# Altium PCB IndoorPositioning PCB.PcbDoc
Units mm, origin at the board's own origin, x right, y up, seen from the top; angles counter-clockwise.
Board outline 48.13 x 31.12 mm, 2 copper layers (Top Layer, Bottom Layer); 64 components, 77 nets, 284 pads, 110 vias.
Unrouted connection lines stored in the file: 158.
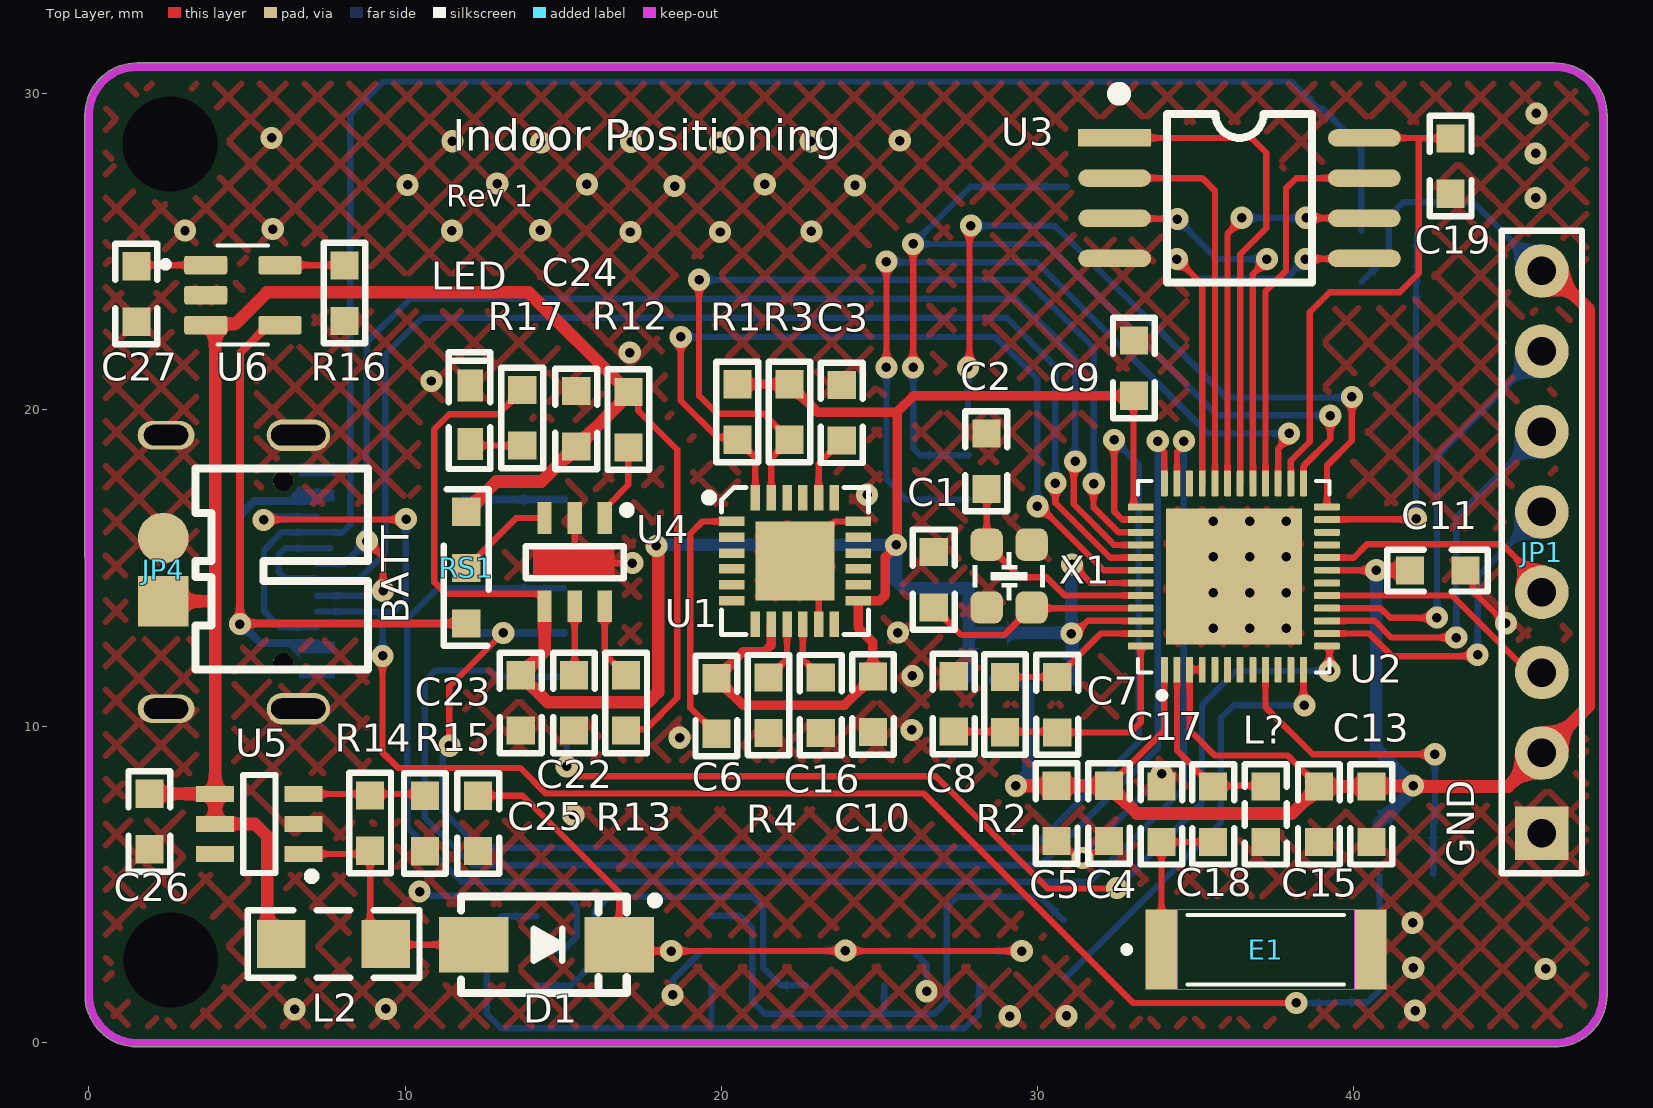
[diagram p0: Top Layer view]
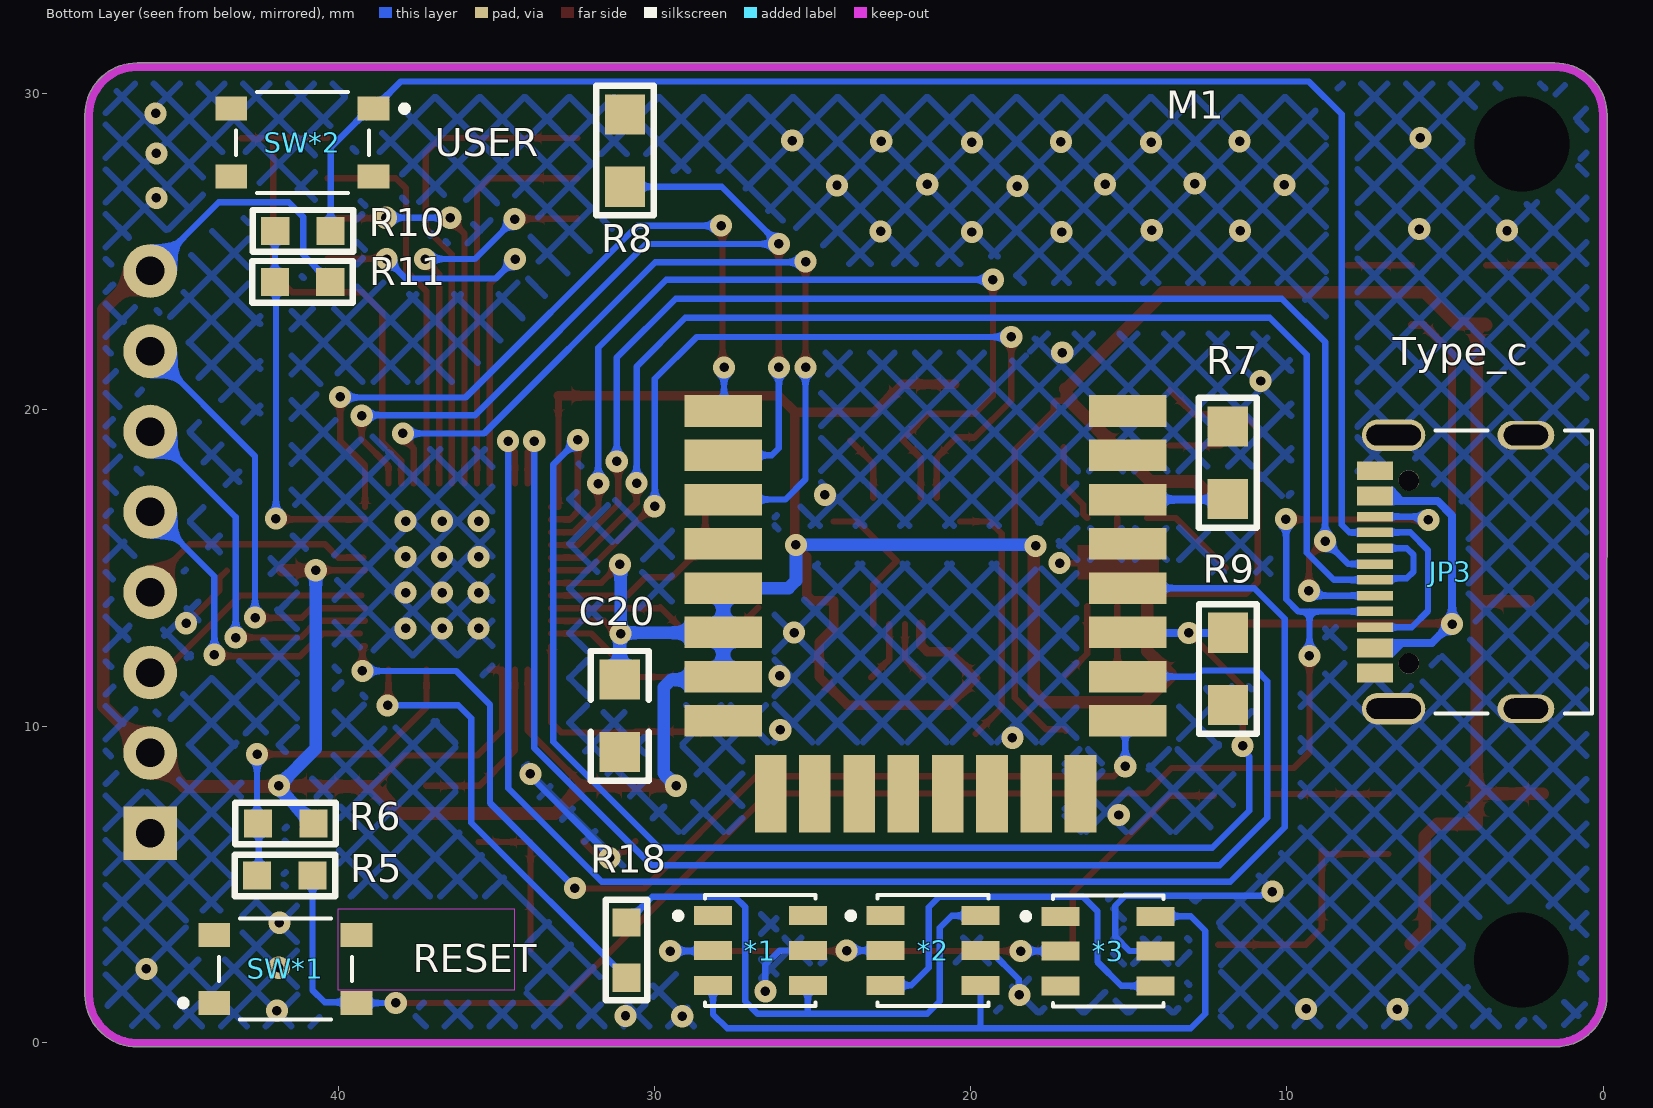
[diagram p1: Bottom Layer view, seen from below]

## Layer stack, top to bottom
Top Solder: solder mask 0.0102, Solder Resist, Dk 3.5
Top Layer: signal copper 0.0356
Dielectric 1: dielectric 0.32, FR-4, Dk 4.8
Bottom Layer: signal copper 0.0356
Bottom Solder: solder mask 0.0102, Solder Resist, Dk 3.5

## Board outline
-0.116,1.332 ccw(c1.527,1.506) 1.352,-0.136 1.4,-0.145 46.358,-0.145 ccw(c46.358,1.506) 48.009,1.506 48.009,29.319 ccw(c46.358,29.319) 46.358,30.971 1.527,30.971 ccw(c1.527,29.319) -0.125,29.319

## Design rules (kind name [scope] priority, off if disabled: settings)
Clearance Clearance_1 [InNamedPolygon('GND_L01_P000') Or InNamedPolygon('GND_L02_P001')] p1: gap=0.3 ignorepadtopadclearanceinfootprint=FALSE
Clearance [All] p2: gap=0.127 ignorepadtopadclearanceinfootprint=FALSE
ComponentClearance [All] p1: gap=0 collisioncheckmode=3 verticalgap=0 showdistances=FALSE
HoleSize [All] p1: absolutevalues=TRUE maxlimit=5 minlimit=0.2 maxpercent=80.000 minpercent=20.000
HoleToHoleClearance [All] p1: gap=0.127 allowstackedmicrovias=TRUE
MinimumSolderMaskSliver [All] p1: minsoldermaskwidth=0.127
PolygonConnect PolygonConnect_1 [All vs IsNamedPolygon('GND_L01_P000') Or IsNamedPolygon('GND_L02_P001')] p1: connectstyle=Direct reliefconductorwidth=0.254 reliefentries=4 polygonreliefangle="90 Angle" airgapwidth=0.254
PolygonConnect [All] p2: connectstyle=Relief reliefconductorwidth=0.254 reliefentries=4 polygonreliefangle="90 Angle" airgapwidth=0.254
RoomDefinition Main [InComponentClass('Main')] p1 off: confinementstyle=ConfineIn formatcopy=TRUE lockcomponents=FALSE outline -0.411,0.442 47.315,0.442 47.315,31.128 -0.411,31.128
RoutingVias [All] p1: holewidth=0.3 width=0.7 viastyle="Through Hole" minholewidth=0.3 minwidth=0.7 maxholewidth=0.3 maxwidth=0.7
SilkToSilkClearance [All] p1: silktosilkclearance=0.127
SilkToSolderMaskClearance [IsPad] p1: minsilkscreentomaskgap=0.01 clearancetoexposedcopper=TRUE
SolderMaskExpansion [All] p1: expansion=0.102 istentingtop=FALSE
Width [All] p1: maxlimit=0.5 minlimit=0.2 preferedwidth=0.254
24 further rules are at their usual default settings.

## Components (designator, comment, footprint, x,y, rotation, side; value= is the part's Value field where it differs from the comment)
*1 "WS2813" WS2813 26.726,2.802 r180 bottom
*2 "WS2813" WS2813 21.265,2.802 r180 bottom
*3 "WS2813" WS2813 15.729,2.784 r180 bottom
C1 "22pF" "C 0603" 26.718,14.641 r90 top
C2 "22pF" "C 0603" 28.379,18.387 r90 top
C3 "2200pF" "C 0603" 23.807,19.919 r90 top
C4 "1uF/16V" "C 0603" 32.26,7.224 r270 top
C5 "100pF/6.3V" "C 0603" 30.601,7.224 r270 top
C6 "0.01uF" "C 0603" 19.842,10.648 r90 top
C7 "3.3nF" "C 0603" 30.622,10.688 r90 top
C8 "10nF" "C 0603" 27.348,10.714 r90 top
C9 "0.1uF/6.3V" "C 0603" 33.045,21.333 r90 top
C10 "0.1uF" "C 0603" 24.795,10.673 r270 top
C11 "10uF" "C 0603" 42.636,14.915 r180 top
C13 "1uF/16V" "C 0603" 40.553,7.224 r90 top
C15 "0.1uF/6.3V" "C 0603" 38.895,7.198 r270 top
C16 "0.1uF" "C 0603" 23.144,10.648 r270 top
C17 "2.4pF" "C 0603" 33.918,7.198 r270 top
C18 "3.9pF" "C 0603" 35.552,7.198 r270 top
C19 "1uF" "C 0603" 43.061,27.696 r270 top
C20 "0.1uF" "C 0805" 31.097,10.325 r270 bottom
C22 "1uF" "C 0603" 15.342,10.744 r90 top
C23 "1uF" "C 0603" 13.658,10.719 r270 top
C24 "1uF" "C 0603" 15.413,19.703 r270 top
C25 "28uF" "C 0603" 12.311,6.909 r270 top
C26 "28uF" "C 0603" 1.915,6.97 r270 top
C27 "1uF" "C 0603" 1.501,23.675 r90 top
D1 "SS34" SMA 14.469,3.089 r0 top
E1 "Ceramic Antenna" Ceramic_2.4 37.216,2.959 r0 top
JP1 "HDR-1X8" HDR-1X8_M 45.944,6.612 r90 top
JP3 "USB-C" USB-C-RIGHT 3.277,14.62 r90 bottom
JP4 "HDR-1X2" PH2.0-2P_H 2.355,13.95 r90 top
L2 "22uH" "L 1206" 7.737,3.109 r0 top
L? "2.7nH" "L 0603" 37.214,7.198 r270 top
LED "LED-SMD" "LED 0603R" 12.06,19.842 r90 top (schematic designator LED1)
M1 "DWM1000" DWM1000 21.858,19.458 r180 bottom
R1 "4.7K" "R 0603-HP" 20.505,19.919 r270 top
R2 "20K" "R 0603-HP" 28.971,10.668 r270 top
R3 "4.7K" "R 0603-HP" 22.156,19.919 r270 top
R4 "4.7K" "R 0603-HP" 21.493,10.648 r270 top
R5 "1K" "R 0603-HP" 41.674,5.276 r180 bottom
R6 "10K" "R 0603-HP" 41.674,6.921 r0 bottom
R7 "100K" "R 0805-HP" 11.869,18.326 r270 bottom
R8 "100K" "R 0805-HP" 30.93,28.197 r270 bottom
R9 "100K" "R 0805-HP" 11.864,11.806 r90 bottom
R10 "1K" "R 0603-HP" 41.128,25.659 r0 bottom
R11 "10K" "R 0603-HP" 41.112,24.046 r180 bottom
R12 "10K" "R 0603-HP" 17.061,19.703 r90 top
R13 "10K" "R 0603-HP" 16.99,10.744 r90 top
R14 "?" "R 0603-HP" 8.895,6.921 r270 top
R15 "?" "R 0603-HP" 10.625,6.906 r270 top
R16 "1.65K" "R 0603-HP" 8.085,23.703 r90 top
R17 "1K" "R 0603-HP" 13.706,19.733 r270 top
R18 "330" "R 0603-HP" 30.884,2.931 r90 bottom
RS1 "Resistor Selector" "RS 0603" 11.933,14.135 r90 top
SW*1 "3x3x1.5" "TSW SMD-3*3" 41.669,2.192 r180 bottom
SW*2 "3x3x1.5" "TSW SMD-3*3" 41.133,28.578 r0 bottom
U1 "MPU6050" QFN24 22.327,15.22 r0 top
U2 "ESP32-D0WDQ6" ESP32-D0WDQ6 36.208,14.727 r90 top
U3 "W25Qxx" SOP8W_N 36.386,26.693 r0 top
U4 "MIC5320" SOT23-6L 15.362,15.182 r180 top
U5 "MT3608" SOT23-6N 5.395,6.904 r90 top
U6 "LTC4054" SOT25-5L 4.872,23.627 r0 top
X1 "26M" XTAL-2520-4 29.103,14.745 r270 top

## Footprints (in the part's own frame and the unit in brackets; to place one, negate y for a bottom-side part, rotate by r counter-clockwise, add the part's x,y. Pads: shape width x height; smd on the part's side, far side on the other; paste and mask are expansions set on the pad)
"C 0603" [mil] "ï¿½Þ¼ï¿½ï¿½ï¿½ï¿½ï¿½Æ¬ï¿½ï¿½ï¿½ï¿½"
  rect 35x35 smd: 1(-35,0) 2(34,0)
  silkscreen extent -63,-26 62,26, body extent -31,-16 31,16, height 32
"C 0805" [mil] "ï¿½Þ¼ï¿½ï¿½ï¿½ï¿½ï¿½Æ¬ï¿½ï¿½ï¿½ï¿½"
  rect 50x50 smd: 1(-45,0) 2(45,0)
  silkscreen extent -81,-36 81,36, body extent -39,-24 39,24, height 20
Ceramic_2.4 [mil]
  rect 40x100 smd: 1(-130,-1) 2(130,-1)
  Keep-Out Layer region: 110,-51 -110,-51 -110,49 110,49
  silkscreen extent -177,-44 97,42, body extent -128,-47 132,43, height 40
DWM1000 [mm]
  rect 2.45x1 smd: 1(-5.968,0.505) 2(-5.968,-0.895) 3(-5.968,-2.295) 4(-5.968,-3.695) 5(-5.968,-5.095) 6(-5.968,-6.495) 7(-5.968,-7.895) 8(-5.968,-9.295) 17(6.832,-9.295) 18(6.832,-7.895) 19(6.832,-6.495) 20(6.832,-5.095) 21(6.832,-3.695) 22(6.832,-2.295) 23(6.832,-0.895) 24(6.832,0.505)
  rect 1x2.45 smd: 9(-4.468,-11.59) 10(-3.068,-11.59) 11(-1.668,-11.59) 12(-0.268,-11.59) 13(1.132,-11.59) 14(2.532,-11.59) 15(3.932,-11.59) 16(5.332,-11.59)
  body extent -6.19,-11.89 7.01,11.11, height 2.9
ESP32-D0WDQ6 [mm]
  rrect25% 0.81x0.22 smd: 1(-2.945,2.2) 2(-2.945,1.8) 3(-2.945,1.4) 4(-2.945,1) 5(-2.945,0.6) 6(-2.945,0.2) 7(-2.945,-0.2) 8(-2.945,-0.6) 9(-2.945,-1) 10(-2.945,-1.4) 11(-2.945,-1.8) 12(-2.945,-2.2) 25(2.945,-2.2) 26(2.945,-1.8) 27(2.945,-1.4) 28(2.945,-1) 29(2.945,-0.6) 30(2.945,-0.2) 31(2.945,0.2) 32(2.945,0.6) 33(2.945,1) 34(2.945,1.4) 35(2.945,1.8) 36(2.945,2.2)
  rrect25% 0.22x0.81 smd: 13(-2.2,-2.945) 14(-1.8,-2.945) 15(-1.4,-2.945) 16(-1,-2.945) 17(-0.6,-2.945) 18(-0.2,-2.945) 19(0.2,-2.945) 20(0.6,-2.945) 21(1,-2.945) 22(1.4,-2.945) 23(1.8,-2.945) 24(2.2,-2.945) 37(2.2,2.945) 38(1.8,2.945) 39(1.4,2.945) 40(1,2.945) 41(0.6,2.945) 42(0.2,2.945) 43(-0.2,2.945) 44(-0.6,2.945) 45(-1,2.945) 46(-1.4,2.945) 47(-1.8,2.945) 48(-2.2,2.945)
  rect 4.3x4.3 smd paste-3: 49(0,0)
  silkscreen extent -3.85,-3.03 3.03,3.03, body extent -3,-3 3,3, height 0.85
HDR-1X8_M [mm] "ï¿½ï¿½Ä¸ï¿½ï¿½8ï¿½ï¿½"
  rect 1.7x1.7 hole 0.9: 1(0,0)
  round 1.7 hole 0.9: 2(2.54,0) 3(5.08,0) 4(7.62,0) 5(10.16,0) 6(12.7,0) 7(15.24,0) 8(17.78,0)
  silkscreen extent -1.27,-1.27 19.05,1.27, body extent -1.27,-1.27 19.05,1.27, height 8.5
"L 0603" [mil] "Ð¡¹¦ÂÊÌùÆ¬µç¸Ð"
  rect 35x35 smd: 1(-35,0) 2(34,0)
  silkscreen extent -63,-26 62,26, body extent -31,-16 31,16, height 31
"L 1206" [mil] "Ð¡¹¦ÂÊÌùÆ¬µç¸Ð"
  rect 60x60 smd: 1(-65,0) 2(65,0)
  silkscreen extent -107,-42 107,42, body extent -63,-31 63,31, height 35
"LED 0603R" [mm] "ï¿½ï¿½É«0603LED"
  rect 1.016x0.8 smd: 1(-0.927,0) 2(0.927,0)
  silkscreen extent -1.71,-0.63 1.98,0.69, body extent -0.8,-0.4 0.8,0.4, height 0.61
PH2.0-2P_H [mm] "½Ó²å¼þ/1A"
  rect 1.6x1.6 smd: 1(0,0)
  round 1.6 smd: 2(2,0)
  silkscreen extent -2.16,-6.48 4.19,-1.02, body extent -1.95,-6.3 3.95,0.3, height 4.72
QFN24 [mm]
  rect 2.5x2.5 smd: 0(0.005,0)
  rect 0.8x0.3 smd: 1(-2,1.25) 2(-2,0.75) 3(-2,0.25) 4(-2,-0.25) 5(-2,-0.75) 6(-2,-1.25) 13(2,-1.25) 14(2,-0.75) 15(2,-0.25) 16(2,0.25) 17(2,0.75) 18(2,1.25)
  rect 0.3x0.8 smd: 7(-1.25,-2) 8(-0.75,-2) 9(-0.25,-2) 10(0.25,-2) 11(0.75,-2) 12(1.25,-2) 19(1.25,2) 20(0.75,2) 21(0.25,2) 22(-0.25,2) 23(-0.75,2) 24(-1.25,2)
  silkscreen extent -2.84,-2.32 2.32,2.32, body extent -2,-2 2.01,2, height 0.9
"R 0603-HP" [mil] "1/10Wï¿½ß¾ï¿½ï¿½ï¿½ï¿½ï¿½Æ¬ï¿½ï¿½ï¿½ï¿½"
  rect 35x35 smd: 1(-35,0) 2(34,0)
  silkscreen extent -63,-26 62,26, body extent -31,-16 31,16, height 16
"R 0805-HP" [mil] "1/8Wï¿½ß¾ï¿½ï¿½ï¿½ï¿½ï¿½Æ¬ï¿½ï¿½ï¿½ï¿½"
  rect 50x50 smd: 1(-45,0) 2(45,0)
  silkscreen extent -81,-36 81,36, body extent -39,-25 39,25, height 20
"RS 0603" [mil]
  rect 35x35 smd: 1(-35,0) 2(104,0) 3(34,0)
  silkscreen extent -63,-28 132,28, body extent -31,-16 32,16, height 16
SMA [mm] "4.5x2.6*2.2mm£¨³¤¿í¸ß£¬²»°üÀ¨Òý½Å£©"
  rect 2.2x1.75 smd: 1(-2.3,0) 2(2.3,0)
  silkscreen extent -2.7,-1.52 3.56,1.52, body extent -2.53,-1.3 2.58,1.3, height 2.15
SOP8W_N [mm] "5.3*8.3*1.8mm£¨³¤¿í¸ß£©"
  rect 2.3x0.55 smd: 1(-3.95,1.905)
  oval 2.3x0.55 smd: 2(-3.95,0.635) 3(-3.95,-0.635) 4(-3.95,-1.905) 5(3.95,-1.905) 6(3.95,-0.635) 7(3.95,0.635) 8(3.95,1.905)
  silkscreen extent -3.94,-2.67 2.29,3.43, body extent -3.94,-2.64 3.94,2.64, height 1.9
SOT23-6L [mm] "3x1.6x1.1mm(ï¿½ï¿½ï¿½ï¿½ï¿½)"
  rect 0.45x1 smd: 1(-0.95,-1.397) 2(0,-1.397) 3(0.95,-1.397) 4(0.95,1.397) 5(0,1.397) 6(-0.95,1.397)
  silkscreen extent -1.78,-1.78 1.55,0.51, body extent -1.5,-1.4 1.5,1.4, height 1.15
SOT23-6N [mm] "3x1.6x1.1mm(ï¿½ï¿½ï¿½ï¿½ï¿½)"
  rect 0.5x1.2 smd: 1(-0.95,-1.4) 2(0,-1.4) 3(0.95,-1.4) 4(0.95,1.4) 5(0,1.4) 6(-0.95,1.4)
  silkscreen extent -1.78,-1.78 1.55,0.51, body extent -1.5,-1.4 1.5,1.4, height 1.15
SOT25-5L [mm]
  rrect25% 1.36x0.59 smd: 1(-1.175,0.95) 2(-1.175,0) 3(-1.175,-0.95) 4(1.175,-0.95) 5(1.175,0.95)
  silkscreen extent -2.54,-1.57 0.8,1.57, body extent -1.4,-1.45 1.4,1.45, height 1.45
"TSW SMD-3*3" [mm]
  rect 1x0.75 smd: 1(-2.25,-0.948) 2(2.25,-0.948) 3(-2.25,1.202) 4(2.25,1.202)
  silkscreen extent -3.33,-1.47 2.1,1.73, body extent -2.25,-1.47 2.25,1.73, height 2.5
USB-C-RIGHT [mm]
  rect 0.3x1.14 smd: A1(-3.096,3.937) A4(-2.296,3.937) A5(-0.996,3.937) A6(0.004,3.937) A7(0.504,3.937) A8(1.504,3.937) A9(2.804,3.937) A12(3.604,3.937) B1(3.304,3.937) B4(2.504,3.937) B5(2.004,3.937) B6(1.004,3.937) B7(-0.496,3.937) B8(-1.496,3.937) B9(-1.996,3.937) B12(-2.796,3.937)
  oval 1x2 hole 0.65 slot 1.72 at 90 deg: S1(-4.071,3.347) S2(4.579,3.347)
  oval 0.9x1.8 hole 0.65 slot 1.4 at 90 deg: S3(-4.071,-0.833) S4(4.579,-0.833)
  round 0.65 hole 0.65 unplated: ""(-2.636,2.867) ""(3.144,2.867)
  silkscreen extent -4.22,-2.92 4.72,2.03, body extent -4.22,-3.36 4.72,4.39, height 3.26
WS2813 [mm]
  rect 1.2x0.6 smd: 1(-1.424,1.202) 2(-1.424,0.102) 3(-1.424,-0.998) 4(1.576,-0.998) 5(1.576,0.102) 6(1.576,1.202)
  silkscreen extent -2.62,-1.65 1.83,1.85, body extent -1.67,-1.65 1.83,1.85, height 0.95
XTAL-2520-4 [mil]
  rrect50% 40x40 smd: 1(39,28) 2(-39,28) 3(-39,-28) 4(39,-28)
  silkscreen extent -30,-44 30,44, body extent -49,-39 49,39, height 31

## Part data
C1 C2 C3 C4 C5 C6 C7 C8 C9 C10 C11 C13 C15 C16 C17 C18 C19 C20 C22 C23 C24 C25 C26 C27: library part C, "Non-polar patch capacitor", BOM名称=无极性贴片电容, 学习资源=www.ooocke.com, 版权归属=源创客
D1: "Schottky diodes", BOM名称=肖特基二极管, 学习资源=www.ooocke.com, 属性=40V/3A, 版权归属=源创客
JP1: library part "Header 8", "8P Connector", BOM名称=8P接插件, 学习资源=www.ooocke.com, 版权归属=源创客
JP3: library part USB-C-RIGHT
JP4: library part "Header 2", "2P Connector", BOM名称=2P接插件, 学习资源=www.ooocke.com, 版权归属=源创客
L2 L?: library part L, "Low power chip inductor", BOM名称=小功率贴片电感, 学习资源=www.ooocke.com, 版权归属=源创客
LED: "Patch LED", BOM名称=贴片LED, 学习资源=www.ooocke.com, 版权归属=源创客
R1 R2 R3 R4 R5 R6 R7 R8 R9 R10 R11 R12 R13 R14 R15 R16 R17 R18: library part R, "Chip resistor", BOM名称="Chip resistor", 学习资源=www.ooocke.com, 版权归属=源创客
SW*1 SW*2: library part "TSW 3x3", "3x3 tact switch"
U1: "Six-axis accelerometer"
U2: "IC RF TxRx + MCU Bluetooth, WiFi 802.11b/g/n, Bluetooth 4.2 2.4GHz 48-VFQFN Exposed Pad"
U3: "External flash", BOM名称=外置Flash, 学习资源=www.ooocke.com, 版权归属=源创客
U5: "1.2MHz 2A Step Up Converter"
U6: "Battery Charger", Type=SOT23-5
X1: library part XTAL-4, "4-Pin crystal", BOM名称=4脚晶振, 学习资源=www.ooocke.com, 版权归属=源创客

## Free pads (board coordinates)
  round 1.524 hole 3: 6(2.56,28.405) 7(2.588,2.606)

## Via types
v1: diameter 0.7, hole 0.3, Top Layer to Bottom Layer, tented both sides, 110 vias

## Nets (pads, with @x,y where several pads share a name; then routed paths per layer and width w, separated by ;. In a path a pad name is that pad's centre, name@x,y a point inside that pad or via, vN(x,y) a via of type N, cw(c..) or ccw(c..) an arc to the next point about the centre after c; other vN are vias at no path point)
1.8V: C22.2 U4.5 | length 2.2
  Top Layer w0.2: U4.5 15.362,11.654 C22.2@15.413,11.603
3.3V: C4.1 C5.1 C6.2 C9.1 C10.1 C11.2 C13.2 C15.1 C20.1 C23.1 JP1.2 JP1.8 M1.5 M1.6 M1.7 R1.1 R3.1 R6.1 R11.2 R17.1 U1.8 U1.13 U2.1 U2.3 U2.4 U2.19 U2.37 U2.43 U2.46 U4.4 | length 154.3
  Top Layer w0.2: R17.1 12.946,19.863 11.402,19.863 10.919,19.38 10.919,14.557 11.292,14.185 14.287,14.185 14.412,14.06 U4.4 ; v1(31.069,12.926) 31.187,12.926 31.588,13.327 U2.46 ; v1(31.09,15.113) 31.676,14.527 U2.43 ; C4.1 34.008,9.861 U2.1 ; C9.1@33.035,20.444 33.035,16.937 33.045,16.927 U2.37 ; U2.4 U2.3 34.808,9.866 35.603,9.07 37.912,9.07 C15.1 ; U2.19 v1(40.711,14.927)
  Top Layer w0.3: R1.1 R3.1 23.035,19.929 25.56,19.929 ; U1.8 21.577,12.563 21.366,12.352 20.683,12.352 C6.2 20.688,10.665 23.899,10.665 C10.1 24.795,12.647 24.327,13.115 U1.13 25.011,13.97 25.187,14.146 25.187,15.354 25.524,15.692 v1(25.524,15.73) 25.56,15.766 25.56,19.929 ; C9.1 26.076,20.444 25.56,19.929
  Top Layer w0.4: U4.4 14.412,12.362 C23.1 14.516,10.749 17.673,10.749 18.001,11.077 18.001,15.645 v1(17.949,15.696) ; v1(29.317,8.113) C5.1 C4.1 33.138,7.234 38.041,7.234 C15.1 C13.2 40.57,8.104 41.858,8.104 v1(41.874,8.12) 41.907,8.087 44.879,8.087 JP1.2 47.428,10.636 47.428,23.169 JP1.8@46.231,24.366 ; v1(40.711,14.927) C11.2@41.761,14.927
  Bottom Layer w0.2: v1@31.069,15.093 v1(31.09,15.113) ; R11.2 41.102,24.9 41.102,26.098 41.565,26.561 43.774,26.561 JP1.8
  Bottom Layer w0.254: M1.6 M1.6@27.841,12.949
  Bottom Layer w0.4: v1(17.949,15.696) 18.161,15.696 18.195,15.73 v1(25.524,15.73) 25.524,14.597 25.759,14.363 M1.5 M1.6 M1.7 ; M1.6@27.841,12.949 v1@30.93,12.949 ; M1.7@28.646,11.468 29.466,11.468 29.71,11.223 29.71,8.506 v1(29.317,8.113) ; v1(31.069,12.926) v1@31.069,15.093 ; C20.1 v1@31.097,12.898 ; v1(40.711,14.927) 40.711,9.284 v1(41.874,8.12) 41.874,8.011 R6.1
5V: JP3.A4 JP3.A9 JP3.B4 JP3.B9 RS1.1 U6.4 | length 26.4
  Top Layer w0.254: v1(4.775,13.227) 4.775,21.791 5.662,22.677 U6.4 ; v1@4.796,13.246 RS1.1
  Bottom Layer w0.254: v1(4.775,13.227) 4.775,16.66 5.24,17.124 JP3.B4 7.214,17.29 JP3.A9 ; v1@4.796,13.246 5.417,12.624 JP3.B9
5V_LED: *1.2 *2.2 *3.2 C25.1 D1.2 | length 24.1
  Top Layer w0.2: C25.1 13.719,7.798 16.769,4.747 D1.2 16.972,2.886 v1(18.417,2.886) v1(29.499,2.886)
  Bottom Layer w0.2: *3.2 v1(18.417,2.886) ; *2.2 v1(23.924,2.903) ; *1.2 28.167,2.886 v1(29.499,2.886)
DIS_CLK: JP1.3 U2.17 | length 7.7
  Top Layer w0.2: U2.17@39.26,14.127 43.117,14.127 45.552,11.692 JP1.3
DIS_CS: JP1.7 U2.16 | length 13.4
  Top Layer w0.2: U2.16 40.842,13.727 41.149,13.421 42.621,13.421 v1(42.629,13.429)
  Bottom Layer w0.2: v1(42.629,13.429) 42.629,18.537 JP1.7
DIS_DATA: JP1.4 U2.20 | length 7.8
  Top Layer w0.2: U2.20@39.205,15.327 39.995,15.327 40.416,15.748 44.689,15.748 JP1.4@46.231,14.206
DIS_DC: JP1.6 U2.15 | length 11.9
  Top Layer w0.2: U2.15 40.661,13.327 41.189,12.799 v1(43.241,12.799)
  Bottom Layer w0.2: v1(43.241,12.799) 43.241,16.609 JP1.6
DIS_RES: JP1.5 U2.14 | length 10.3
  Top Layer w0.2: U2.14@39.32,12.927 40.492,12.927 41.206,12.212 43.871,12.212 v1(43.914,12.255)
  Bottom Layer w0.2: v1(43.914,12.255) 43.914,14.742 JP1.5
DWM_CLK: M1.20 U2.35 | length 50.9
  Top Layer w0.2: U2.35 34.408,18.656 34.625,18.874 v1(34.625,19.009)
  Bottom Layer w0.2: M1.20 11.033,14.363 10.066,13.396 10.066,6.802 11.791,5.077 31.666,5.077 34.625,8.037 v1(34.625,19.009)
DWM_CS: M1.17 U2.13 | length 32.7
  Top Layer w0.2: v1(15.11,8.725) 15.165,8.725 15.478,8.412 26.777,8.412 30.325,4.864 32.497,4.864 v1(32.512,4.879) ; U2.13 39.223,12.527 39.233,12.517 v1(39.233,11.742)
  Bottom Layer w0.2: M1.17 15.11,10.079 v1(15.11,8.725) ; v1(32.512,4.879) 35.199,7.567 35.199,10.678 36.264,11.742 v1(39.233,11.742)
DWM_EXTON: M1.1 U2.24 | length 24
  Top Layer w0.2: v1(27.798,21.341) 27.846,21.389 27.846,25.775 v1(27.894,25.823) ; U2.24 39.153,18.241 39.939,19.027 v1(39.939,20.411)
  Bottom Layer w0.2: v1(27.798,21.341) 27.798,19.992 M1.1 ; v1(27.894,25.823) 30.539,25.823 35.974,20.389 39.916,20.389 v1(39.939,20.411)
DWM_IO0: M1.15
DWM_IO1: M1.14
DWM_IO2: M1.13
DWM_IO3: M1.12
DWM_IO4: M1.11
DWM_IO5: M1.10
DWM_IO6: M1.9
DWM_IO7: M1.4
DWM_IRQ: M1.22 R7.2 | length 3.2
  Bottom Layer w0.254: R7.2 11.89,17.163 M1.22
DWM_MISO: M1.19 R9.2 U2.38 | length 46.5
  Top Layer w0.2: v1(11.4,9.38) 11.4,11.245 v1(13.104,12.949) ; v1(32.421,19.047) 32.421,16.784 32.667,16.537 33.253,16.537 U2.38
  Bottom Layer w0.2: v1(11.4,9.38) 11.4,9.245 11.194,9.04 11.194,7.32 12.36,6.154 29.848,6.154 33.195,9.502 33.195,18.273 v1(32.421,19.047)
  Bottom Layer w0.254: R9.2 v1(13.104,12.949) 15.013,12.949 M1.19
DWM_MOSI: M1.18 U2.36 | length 45.4
  Top Layer w0.2: v1(33.798,19.009) 33.798,18.874 34.008,18.665 U2.36
  Bottom Layer w0.2: M1.18 12.895,11.563 12.697,11.76 10.955,11.76 10.617,11.422 10.617,7.105 12.119,5.603 30.094,5.603 33.798,9.308 v1(33.798,19.009)
DWM_RSTN: M1.3 U2.27 | length 26.5
  Top Layer w0.2: v1@25.222,21.255 v1(25.222,24.689) ; U2.27 37.608,18.773 37.953,19.118 v1(37.953,19.253)
  Bottom Layer w0.2: v1(25.222,21.341) 25.222,17.803 25.862,17.163 M1.3 ; v1(25.222,24.689) 25.242,24.669 29.974,24.669 35.39,19.253 v1(37.953,19.253)
DWM_WAKEUP: M1.2 R8.2 U2.25 | length 31.9
  Top Layer w0.2: v1@26.065,21.272 v1(26.065,21.341) v1(26.065,25.246) ; U2.25 38.408,18.222 39.256,19.07 v1(39.256,19.812)
  Bottom Layer w0.2: v1(26.065,21.341) 26.065,18.788 26.291,18.563 M1.2 ; R8.2 27.873,27.054 v1(26.065,25.246) 30.258,25.246 35.672,19.832 39.235,19.832 v1(39.256,19.812)
EN: JP3.A5 JP3.B5 R5.2 SW*1.2 | length 54.8
  Top Layer w0.2: v1(5.524,16.52) 5.536,16.532 10.022,16.532 v1(10.033,16.543) ; v1(9.286,12.22) 9.286,9.164 9.774,8.677 13.642,8.677 14.453,7.866 26.403,7.866 33.026,1.244 v1(38.178,1.244)
  Bottom Layer w0.2: v1(5.524,16.52) 5.66,16.52 5.764,16.624 JP3.B5 ; JP3.A5 9.286,13.624 ; v1(9.286,12.22) 9.286,13.624 ; v1(10.033,16.543) 10.025,16.535 10.025,14.011 9.639,13.624 9.286,13.624 ; v1(38.178,1.244) SW*1.2 39.442,1.267 40.428,1.267 40.81,1.648 R5.2
GND: *1.5 *2.5 *3.5 C1.2 C2.2 C3.2 C4.2 C5.2 C8.2 C9.2 C10.2 C11.1 C13.1 C15.2 C16.2 C17.1 C19.2 C20.2 C22.1 C23.2 C24.1 C25.2 C26.2 C27.1 E1.2 JP1.1 JP3.A1 JP3.A12 JP3.B1 JP3.B12 JP3.S1 JP3.S2 JP3.S3 JP3.S4 JP4.2 L?.2 LED.2 M1.8 M1.16 M1.21 M1.23 M1.24 R4.2 R7.1 R8.1 R9.1 R15.2 R16.1 SW*1.1 SW*2.2 U1.0 U1.11 U1.18 U2.49 U3.4 U4.2 U5.2 U6.2 X1.2 X1.4 | length 28.1
  Top Layer w0.2: U4.2 15.362,15.625 15.335,15.18 15.362,15.154 v1(17.186,15.154) ; U1.11 23.077,14.474 U1.0 23.582,16.47 U1.18 ; C5.2 30.945,6.016 31.071,6.016 31.257,5.829 v1(31.42,5.829) 31.582,5.829 31.769,6.016 31.915,6.016 C4.2 ; C11.1 43.757,14.684 43.757,14.288 44.254,13.791 44.793,13.252 v1(44.808,13.252)
  Bottom Layer w0.2: v1(10.457,4.768) 10.553,4.672 10.785,4.672 10.824,4.632 15.114,4.632 15.433,4.313 15.433,3.345 14.973,2.886 *3.5 ; v1(18.461,1.501) 18.483,1.524 18.483,1.998 19.389,2.903 *2.5 ; *1.5 26.04,2.903 26.492,2.451 v1(26.492,1.615) ; v1(31.42,5.829) 31.42,5.907 33.922,8.409 v1(33.922,8.486)
  other v1: 29.121,0.823 30.914,0.833 41.935,1.003 6.507,1.046 9.393,1.059 46.063,2.324 41.88,2.357 41.857,3.78 15.316,7.188 18.679,9.629 26.02,9.878 26.043,11.585 25.585,12.957 35.56,13.086 36.713,13.086 37.869,13.086 35.56,14.219 36.713,14.219 37.869,14.219 35.56,15.352 36.713,15.352 37.869,15.352 35.56,16.485 36.713,16.485 37.869,16.485 24.608,17.315 10.831,20.912 17.104,21.811 17.125,25.624 19.959,25.624 22.85,25.641 3.04,25.667 11.478,25.662 14.272,25.679 5.814,25.715 45.75,26.703 18.522,27.076 24.227,27.097 10.081,27.114 15.748,27.135 21.374,27.135 12.913,27.155 45.75,28.108 14.293,28.456 19.959,28.456 17.145,28.476 11.499,28.494 22.83,28.494 25.644,28.514 5.779,28.6 45.771,29.373
GPIO0: JP3.A8 JP3.B8 R10.1 SW*2.1 | length 55.8
  Bottom Layer w0.2: JP3.B8 6.053,13.124 5.54,13.637 5.54,15.563 6.101,16.124 JP3.A8 8.032,16.124 8.27,16.363 8.27,29.342 9.309,30.381 38.027,30.381 SW*2.1 39.008,29.526 40.239,28.295 R10.1
GPIO2: U2.22
GPIO5: U2.34
GPIO12: U2.18
GPIO15: U2.21
GPIO21: R1.2 U1.24 U2.42 | length 26.3
  Top Layer w0.2: v1(18.717,22.304) 18.717,20.29 19.878,19.129 20.432,19.129 21.077,18.483 U1.24 ; v1(29.996,16.95) 30.068,16.95 32.092,14.927 U2.42
  Bottom Layer w0.2: v1(18.717,22.304) 28.666,22.304 29.986,20.984 29.986,16.96 v1(29.996,16.95)
GPIO22: R3.2 U1.23 U2.39 | length 29.4
  Top Layer w0.2: v1(19.296,24.112) 19.296,20.45 19.87,19.875 21.336,19.875 R3.2 21.577,18.476 U1.23 ; v1(31.778,17.668) 31.768,17.659 31.768,16.918 32.56,16.127 U2.39
  Bottom Layer w0.2: v1(19.296,24.112) 29.627,24.112 31.778,21.961 v1(31.778,17.668)
GPIO32: R18.1 U2.12 | length 14.2
  Top Layer w0.2: U2.12 38.408,10.68 v1(38.435,10.653)
  Bottom Layer w0.2: R18.1 35.789,6.947 35.789,10.244 36.205,10.66 38.428,10.66 v1(38.435,10.653)
GPIO34: U2.10
GPIO35: U2.11
INT: U1.12
LNA_IN: C17.2 C18.2 E1.1 | length 5
  Top Layer w0.2: E1.1 33.918,2.938 C17.2 C18.2
Net*1_3: *1.3 *2.4 *3.6 | length 22.6
  Bottom Layer w0.2: *3.6 13.043,3.986 12.581,3.523 12.581,0.902 13.038,0.444 19.677,0.444 ; *2.4 19.689,0.53 19.726,0.493 19.677,0.444 ; *1.3 28.15,0.893 27.701,0.444 19.677,0.444
Net*1_4: *1.4 *2.6 R18.2 | length 18.3
  Bottom Layer w0.2: *2.6 20.599,4.003 20.975,3.627 20.975,1.3 21.372,0.904 25.15,0.904 ; *1.4 25.15,0.904 ; R18.2@30.836,3.879 30.8,3.879 30.074,4.605 27.46,4.605 27.132,4.277 27.132,1.295 26.741,0.904 25.15,0.904
Net*2_3: *2.3 *3.4 | length 12.9
  Bottom Layer w0.2: *3.4 15.235,1.786 15.989,2.54 15.989,4.148 16.447,4.605 20.988,4.605 21.321,4.272 21.321,2.36 21.877,1.803 *2.3
NetC1_1: C1.1 U2.45 X1.1 | length 7.3
  Top Layer w0.2: C1.1 27.592,12.878 28.938,12.878 X1.1 29.842,13.727 U2.45
NetC2_1: C2.1 U2.44 X1.3 | length 7.1
  Top Layer w0.2: C2.1 28.392,17.485 X1.3 ; X1.3@28.559,15.597 29.444,14.711 30.283,14.711 30.867,14.127 U2.44
NetC3_1: C3.1 U1.20 | length 2.1
  Top Layer w0.2: U1.20 23.077,18.299 C3.1
NetC6_1: C6.1 U1.1 | length 8.1
  Top Layer w0.2: C6.1 19.02,10.582 19.02,16.086 19.404,16.47 U1.1
NetC7_1: C7.1 C8.1 R2.2 U2.48 | length 8.5
  Top Layer w0.2: C8.1 28.971,9.825 30.597,9.825 C7.1 32.946,9.799 33.263,10.116 U2.48
NetC7_2: C7.2 R2.1 U2.47 | length 4.9
  Top Layer w0.2: R2.1 28.976,11.552 C7.2 31.997,12.927 U2.47
NetC16_1: C16.1 U1.10 | length 1.9
  Top Layer w0.2: U1.10 22.577,12.104 C16.1
NetC18_1: C18.1 L?.1 U2.2 | length 5.8
  Top Layer w0.2: U2.2 34.408,9.232 35.529,8.11 L?.1@37.213,8.11
NetC27_2: C27.2 U6.1 | length 2.2
  Top Layer w0.2: C27.2 1.539,24.577 U6.1
NetD1_1: D1.1 L2.2 R14.2 U5.1 | length 8.1
  Top Layer w0.2: U5.1 8.791,5.954 R14.2 8.895,3.602 L2.2 9.408,3.089 D1.1
NetJP3_A2: 
NetJP3_A10: 
NetJP3_B2: 
NetJP3_B10: 
NetLED1_1: LED.1 R17.2 | length 1.7
  Top Layer w0.2: LED.1 12.106,18.87 R17.2
NetR4_1: R4.1 U1.9 | length 1.9
  Top Layer w0.2: R4.1 22.077,12.12 U1.9
NetR5_1: R5.1 R6.2 U2.9 | length 10.9
  Top Layer w0.2: U2.9 37.208,10.6 38.699,9.108 v1(42.565,9.108)
  Bottom Layer w0.2: R5.1@42.509,5.331 R6.2@42.509,6.921 ; R6.2 42.565,6.949 v1(42.565,9.108)
NetR10_2: R10.2 R11.1 U2.23 | length 11.9
  Top Layer w0.2: U2.23 39.163,16.537 41.947,16.537 v1(41.968,16.558)
  Bottom Layer w0.2: v1(41.968,16.558) 41.968,24.013 R11.1 ; R11.1@41.996,24.046 41.996,25.566 R10.2@42.045,25.614
NetR14_1: R14.1 R15.1 U5.3 | length 3.9
  Top Layer w0.2: U5.3 10.566,7.854 R15.1
NetR16_2: R16.2 U6.5 | length 2
  Top Layer w0.2: U6.5 8.075,24.577 R16.2
NetRS1_3: RS1.3 U4.3 | length 3.1
  Top Layer w0.2: RS1.3 13.513,16.579 U4.3
REGULATOR_EN_1: R13.2 U4.6 | length 2.5
  Top Layer w0.2: U4.6 16.312,12.286 R13.2
REGULATOR_EN_2: R12.1 U4.1 | length 2.5
  Top Layer w0.2: U4.1 16.437,16.704 16.437,17.003 17.061,17.628 R12.1
SCK/CLK: U2.31 U3.6 | length 12.4
  Top Layer w0.2: U2.31 36.008,25.575 36.455,26.022 v1@36.455,26.047 ; v1@38.491,26.063 38.494,26.06 40.333,26.06 U3.6
  Bottom Layer w0.2: v1(36.455,26.073) v1(38.491,26.073)
SCS/CMD: U2.30 U3.1 | length 15.8
  Top Layer w0.2: U3.1 36.756,28.598 37.226,28.128 37.226,25.74 36.408,24.922 U2.30
SDI/SD1: U2.33 U3.5 | length 13.9
  Top Layer w0.2: v1(34.407,24.768) 35.208,23.967 U2.33 ; v1@38.471,24.765 38.482,24.776 40.324,24.776 U3.5
  Bottom Layer w0.2: v1(34.407,24.768) 35.024,24.15 37.854,24.15 v1@38.464,24.761
  other v1: 38.471,24.768
SDO/SD0: U2.32 U3.2 | length 12.6
  Top Layer w0.2: U3.2 35.215,27.328 35.608,26.935 U2.32
SHD/SD2: U2.28 U3.7 | length 12.2
  Top Layer w0.2: U2.28 37.208,23.756 37.854,24.402 37.854,27.003 38.179,27.328 U3.7
SWP/SD3: U2.29 U3.3 | length 12.6
  Top Layer w0.2: U3.3 32.448,26.045 34.409,26.045 v1(34.422,26.032) ; U2.29 36.808,24.287 37.249,24.729 v1@37.249,24.765
  Bottom Layer w0.2: v1(34.422,26.032) 35.687,24.768 v1(37.249,24.768)
U0RXD: JP3.A7 JP3.B7 U2.40 | length 43.2
  Top Layer w0.2: v1(8.791,15.852) 9.304,15.339 v1(9.304,14.28) ; v1(31.191,18.369) 31.14,18.318 31.14,17.013 32.426,15.727 U2.40
  Bottom Layer w0.2: JP3.B7 9.013,14.124 9.169,14.28 v1(9.304,14.28) ; JP3.A7 8.063,15.124 v1(8.791,15.852) 8.791,22.146 10.16,23.515 29.329,23.515 31.191,21.654 v1(31.191,18.369)
U0TXD: JP3.A6 JP3.B6 U2.41 | length 42.4
  Top Layer w0.2: v1(30.563,17.683) 30.563,17.057 32.293,15.327 U2.41
  Bottom Layer w0.2: JP3.B6@7.634,15.624 6.208,15.624 5.997,15.413 5.997,14.884 6.207,14.674 7.164,14.674 JP3.A6 8.513,14.624 9.368,15.479 9.368,21.74 10.538,22.911 29.025,22.911 30.563,21.372 v1(30.563,17.683)
Vbat: C24.2 C26.1 JP4.1 L2.1 R12.2 R13.1 RS1.2 U5.4 U5.5 U6.3 | length 59.1
  Top Layer w0.2: R13.1 17.033,9.898 17.617,9.898 18.611,10.892 18.611,18.735 17.377,19.969 17.377,20.222 17.314,20.284 17.061,20.284 R12.2
  Top Layer w0.4: C26.1 U5.4@3.697,7.859 ; JP4.1 3.987,13.95 3.995,13.957 ; U5.4@3.697,7.854 U5.4 ; U6.3 3.739,22.719 4.635,22.719 5.631,23.716 13.912,23.716 16.967,20.66 R12.2@17.005,20.66 ; U6.3@3.826,22.677 3.995,22.509 3.995,13.957 ; L2.1 5.644,3.551 5.644,6.51 5.25,6.904 U5.5 U5.4 ; RS1.2 12.89,17.734 14.308,17.734 C24.2 ; C24.2@15.433,18.839 15.433,18.859 15.657,19.084 15.677,19.084 16.817,20.223 16.817,20.322 16.92,20.425 R12.2@16.963,20.468 ; U5.4 3.995,13.957
VDD_SDIO: C19.1 U2.26 U3.8 | length 16.6
  Top Layer w0.2: U2.26 38.008,18.391 38.611,18.994 38.611,23.091 39.233,23.713 41.45,23.713 42.055,24.319 42.055,28.585 C19.1 ; U3.8 42.055,28.598
XCL: U1.7
XDA: U1.6
pads on no net: *1.1 *1.6 *2.1 *3.1 *3.3 JP3. SW*1.3 SW*1.4 SW*2.3 SW*2.4 U1.2 U1.3 U1.4 U1.5 U1.14 U1.15 U1.16 U1.17 U1.19 U1.21 U1.22 U2.5 U2.6 U2.7 U2.8 U5.6

## Polygon pours and split planes (outlines as drawn)
GND on Top Layer "GND_L01_P000" (hatched 45Degree grid 1 track 0.203, remove dead copper, pour order 0): -0.116,1.332 ccw(c1.527,1.506) 1.352,-0.136 1.4,-0.145 46.358,-0.145 ccw(c46.358,1.506) 48.009,1.506 48.009,29.319 ccw(c46.358,29.319) 46.358,30.971 1.527,30.971 ccw(c1.527,29.319) -0.125,29.319
GND on Bottom Layer "GND_L02_P001" (hatched 45Degree grid 1 track 0.203, remove dead copper, pour order 1): -0.116,1.332 ccw(c1.527,1.506) 1.352,-0.136 1.4,-0.145 46.358,-0.145 ccw(c46.358,1.506) 48.009,1.506 48.009,29.319 ccw(c46.358,29.319) 46.358,30.971 1.527,30.971 ccw(c1.527,29.319) -0.125,29.319

## Keep-outs
Keep-Out Layer:
  lines w0.254: 0.003,1.379 0.003,29.319 cw(c1.527,29.319) 1.527,30.843 46.358,30.843 cw(c46.358,29.319) 47.882,29.319 47.882,1.506 cw(c46.358,1.506) 46.358,-0.018 1.4,-0.018 ; 0.003,1.506 ccw(c1.527,1.506) 1.527,-0.018

## Other copper
Top Layer:
  rectangle net GND: 14.051,14.635 16.619,15.725
Bottom Layer:
  rectangle net GND: 6.65,11.499 7.783,11.847
  rectangle net 5V: 6.647,12.301 7.785,12.68
  rectangle net 5V: 6.645,17.094 7.775,17.485
  rectangle net GND: 6.64,17.892 7.783,18.308
  region net 5V: 6.645,17.574 6.319,17.221 6.718,17.221 6.718,17.574
  region net 5V: 6.675,12.174 6.647,12.174 6.311,12.522 6.675,12.522

## Silkscreen, mask and mechanical layers (free items; w line width, h text height)
Top Overlay:
  text "Indoor Positioning" at 11.509,27.861 h1.7
  text "Rev 1" at 11.308,26.187 h1.2
  text "BATT" at 10.409,13.241 h1.5 r90
  text "GND" at 44.116,5.53 h1.5 r90
Bottom Overlay:
  text "USER" at 36.939,27.721 h1.52
  text "Type_c" at 6.657,21.104 h1.52
  text "RESET" at 37.643,1.909 h1.52
Top Solder:
  rectangle: 14.051,14.635 16.619,15.725